# KiCad board SparkFun_Qwiic_WAV_Trigger_Pro_panelized.kicad_pcb (continued)
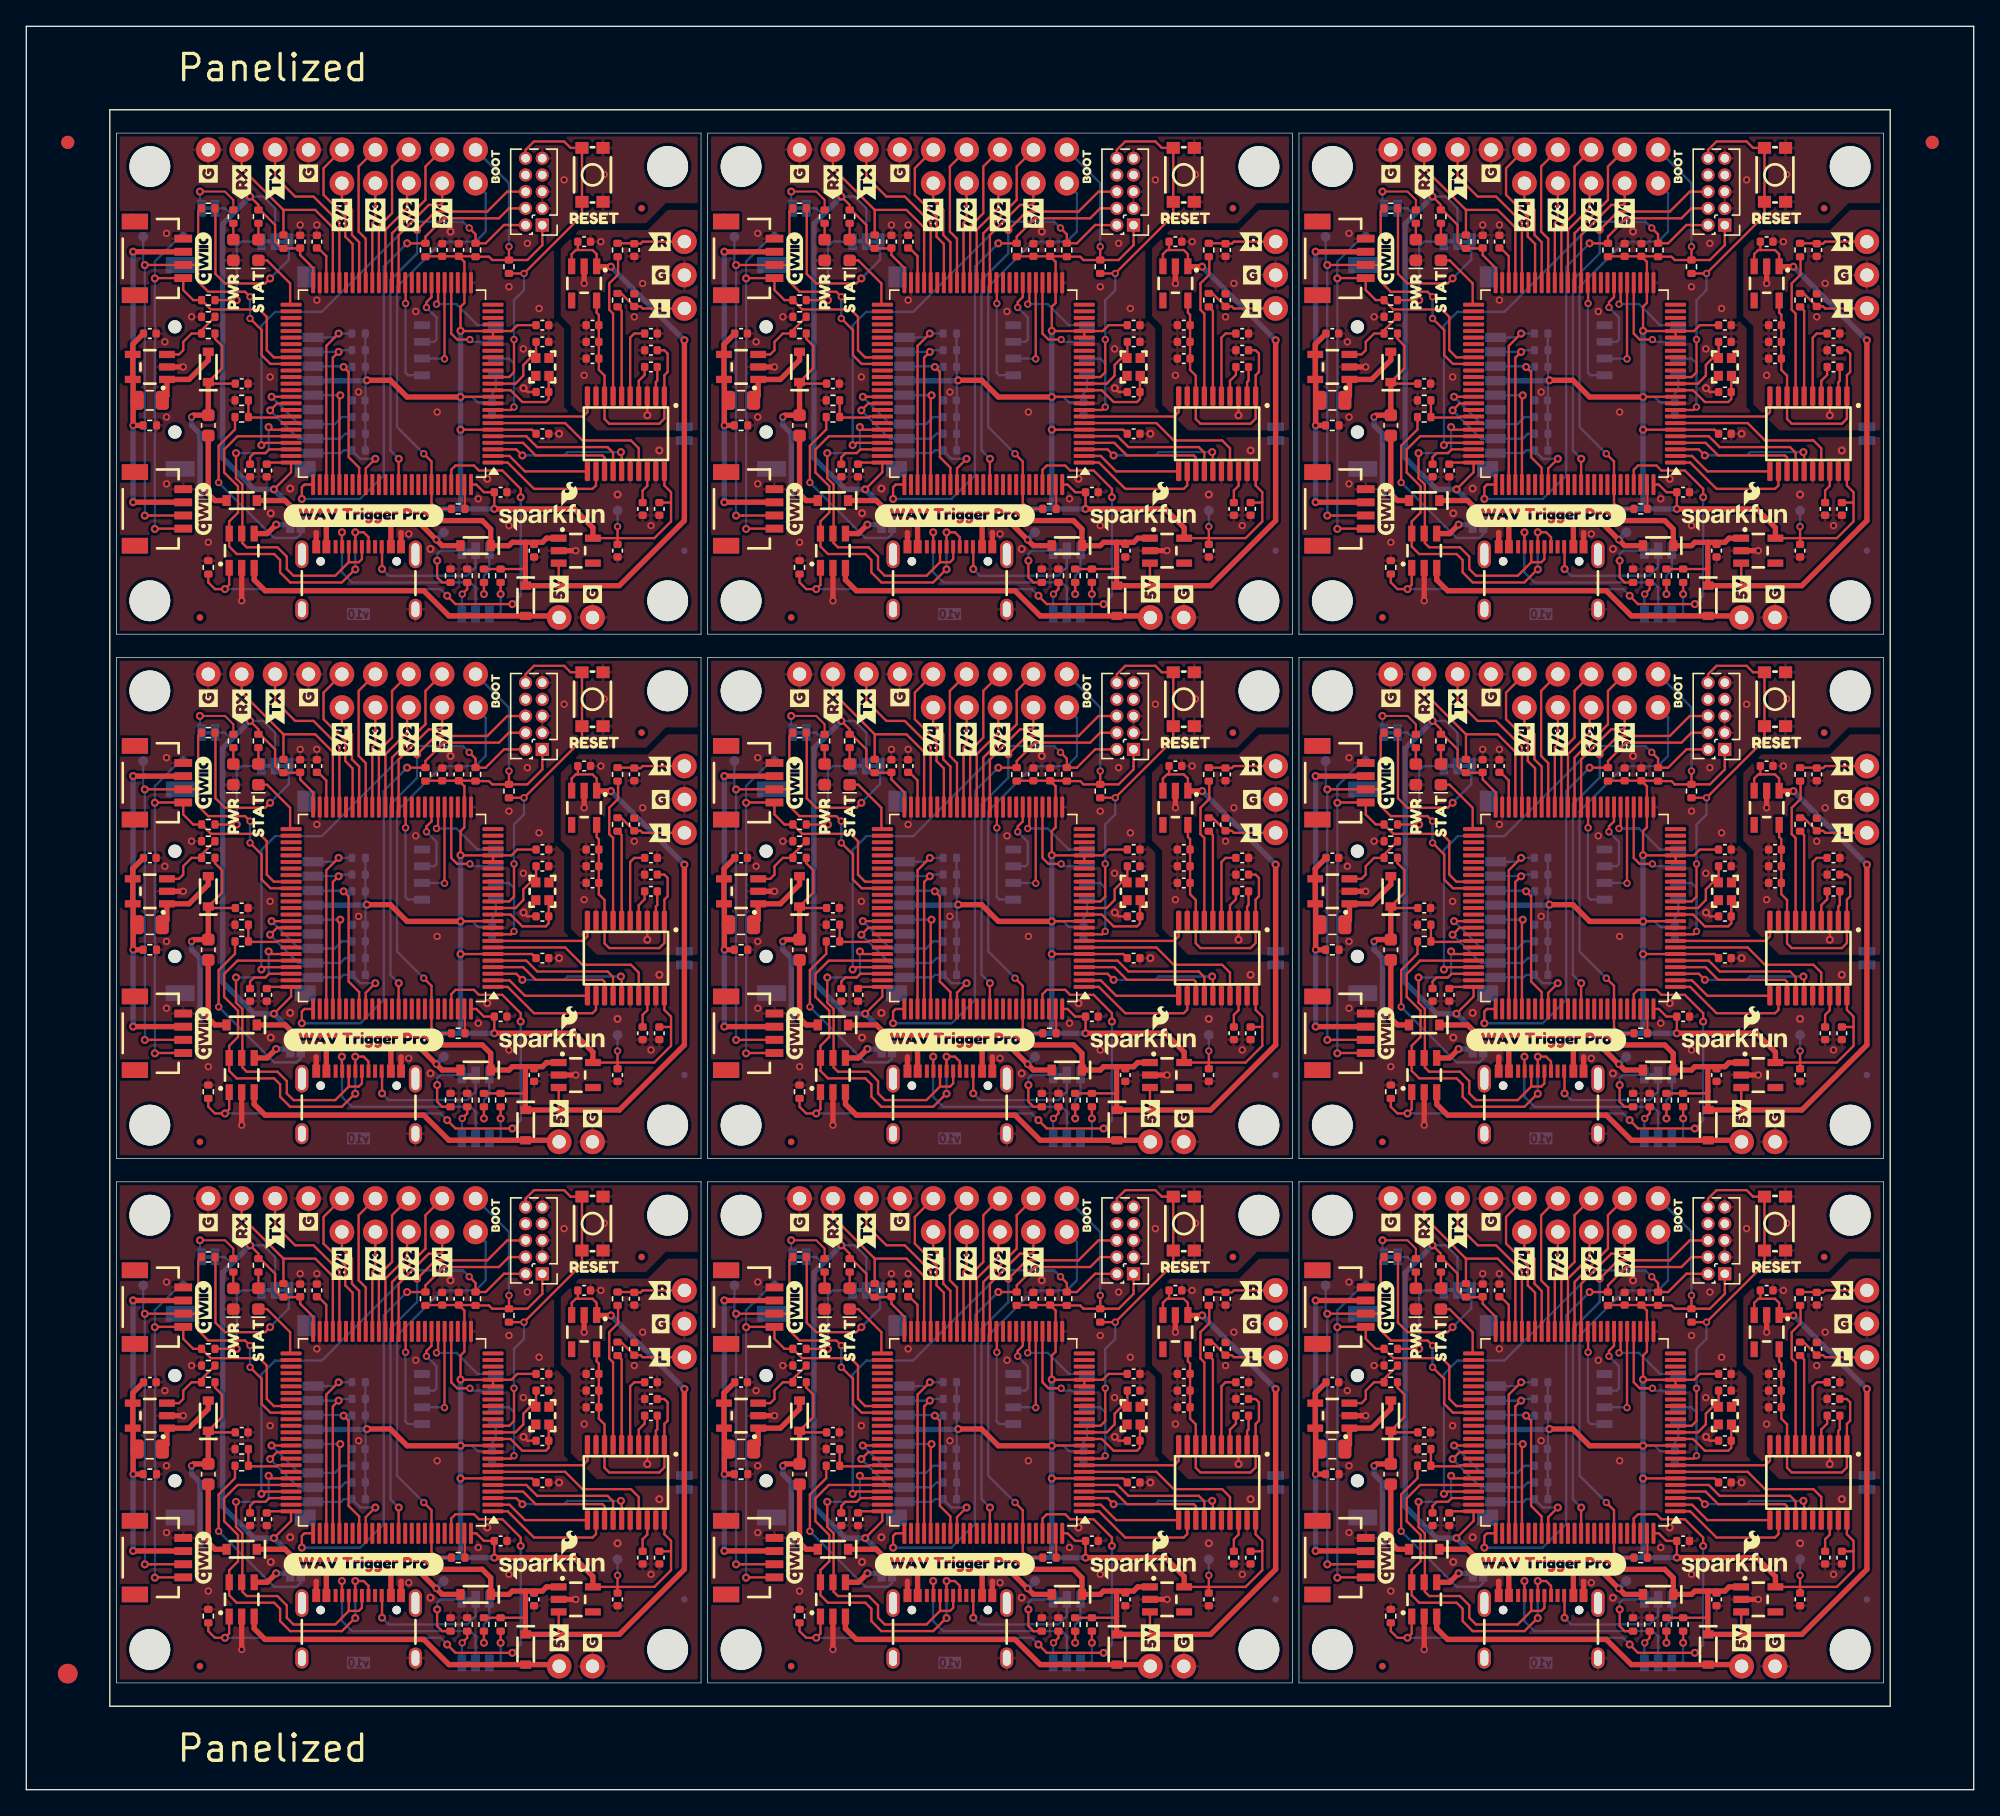
[diagram p0: board, top side]
## Placement (name value [footprint] x y rotation side) (continued)
FID1#9  Fiducial_0.5mm  [Fiducial_0.5mm_Mask1mm]  46.78 40.5 0 top
FID2  Fiducial_0.5mm  [Fiducial_0.5mm_Mask1mm]  103.1 89.13 0 top
FID2#2  Fiducial_0.5mm  [Fiducial_0.5mm_Mask1mm]  13.2 49.26 0 top
FID2#3  Fiducial_0.5mm  [Fiducial_0.5mm_Mask1mm]  58.15 89.13 0 top
FID2#4  Fiducial_0.5mm  [Fiducial_0.5mm_Mask1mm]  13.2 89.13 0 top
FID2#5  Fiducial_0.5mm  [Fiducial_0.5mm_Mask1mm]  58.15 9.39 0 top
FID2#6  Fiducial_0.5mm  [Fiducial_0.5mm_Mask1mm]  58.15 49.26 0 top
FID2#7  Fiducial_0.5mm  [Fiducial_0.5mm_Mask1mm]  103.1 9.39 0 top
FID2#8  Fiducial_0.5mm  [Fiducial_0.5mm_Mask1mm]  103.1 49.26 0 top
FID2#9  Fiducial_0.5mm  [Fiducial_0.5mm_Mask1mm]  13.2 9.39 0 top
FID3  Fiducial_0.5mm  [Fiducial_0.5mm_Mask1mm]  50.03 94.21 180 bottom
FID3#2  Fiducial_0.5mm  [Fiducial_0.5mm_Mask1mm]  94.98 54.34 180 bottom
FID3#3  Fiducial_0.5mm  [Fiducial_0.5mm_Mask1mm]  94.98 14.47 180 bottom
FID3#4  Fiducial_0.5mm  [Fiducial_0.5mm_Mask1mm]  94.98 94.21 180 bottom
FID3#5  Fiducial_0.5mm  [Fiducial_0.5mm_Mask1mm]  139.93 54.34 180 bottom
FID3#6  Fiducial_0.5mm  [Fiducial_0.5mm_Mask1mm]  139.93 94.21 180 bottom
FID3#7  Fiducial_0.5mm  [Fiducial_0.5mm_Mask1mm]  139.93 14.47 180 bottom
FID3#8  Fiducial_0.5mm  [Fiducial_0.5mm_Mask1mm]  50.03 54.34 180 bottom
FID3#9  Fiducial_0.5mm  [Fiducial_0.5mm_Mask1mm]  50.03 14.47 180 bottom
FID4  Fiducial_0.5mm  [Fiducial_0.5mm_Mask1mm]  98.02 119.61 180 bottom
FID4#2  Fiducial_0.5mm  [Fiducial_0.5mm_Mask1mm]  8.12 119.61 180 bottom
FID4#3  Fiducial_0.5mm  [Fiducial_0.5mm_Mask1mm]  53.07 79.74 180 bottom
FID4#4  Fiducial_0.5mm  [Fiducial_0.5mm_Mask1mm]  53.07 119.61 180 bottom
FID4#5  Fiducial_0.5mm  [Fiducial_0.5mm_Mask1mm]  8.12 79.74 180 bottom
FID4#6  Fiducial_0.5mm  [Fiducial_0.5mm_Mask1mm]  53.07 39.87 180 bottom
FID4#7  Fiducial_0.5mm  [Fiducial_0.5mm_Mask1mm]  98.02 39.87 180 bottom
FID4#8  Fiducial_0.5mm  [Fiducial_0.5mm_Mask1mm]  98.02 79.74 180 bottom
FID4#9  Fiducial_0.5mm  [Fiducial_0.5mm_Mask1mm]  8.12 39.87 180 bottom
G4  OSHW_Logo  [Creative_Commons_License]  99.56 -41.41 0 top
G***  LOGO  [SparkFun_Logo_8mm]  129.82 96.85 0 top
G***#2  LOGO  [SparkFun_Logo_8mm]  84.87 56.98 0 top
G***#3  LOGO  [SparkFun_Logo_8mm]  129.82 17.11 0 top
G***#4  LOGO  [SparkFun_Logo_8mm]  84.87 17.11 0 top
G***#5  LOGO  [SparkFun_Logo_8mm]  84.87 96.85 0 top
G***#6  LOGO  [SparkFun_Logo_8mm]  129.82 56.98 0 top
G***#7  LOGO  [SparkFun_Logo_8mm]  39.92 56.98 0 top
G***#8  LOGO  [SparkFun_Logo_8mm]  39.92 96.85 0 top
G***#9  LOGO  [SparkFun_Logo_8mm]  39.92 17.11 0 top
G***#10  LOGO  [qwiic_4mm]  13.45 57.52 90 top
G***#11  LOGO  [qwiic_4mm]  103.35 57.52 90 top
G***#12  LOGO  [qwiic_4mm]  13.45 97.38 90 top
G***#13  LOGO  [qwiic_4mm]  58.4 17.64 90 top
G***#14  LOGO  [qwiic_4mm]  58.4 57.52 90 top
G***#15  LOGO  [qwiic_4mm]  58.4 97.38 90 top
G***#16  LOGO  [qwiic_4mm]  103.35 17.64 90 top
G***#17  LOGO  [qwiic_4mm]  103.35 97.38 90 top
G***#18  LOGO  [qwiic_4mm]  13.45 17.64 90 top
G***#19  LOGO  [qwiic_4mm]  13.45 76.56 90 top
G***#20  LOGO  [qwiic_4mm]  13.45 116.44 90 top
G***#21  LOGO  [qwiic_4mm]  58.4 36.69 90 top
G***#22  LOGO  [qwiic_4mm]  58.4 116.44 90 top
G***#23  LOGO  [qwiic_4mm]  103.35 36.69 90 top
G***#24  LOGO  [qwiic_4mm]  103.35 76.56 90 top
G***#25  LOGO  [qwiic_4mm]  103.35 116.44 90 top
G***#26  LOGO  [qwiic_4mm]  58.4 76.56 90 top
G***#27  LOGO  [qwiic_4mm]  13.45 36.69 90 top
G***#28  LOGO  [SparkFun_Logo_10mm]  45.33 27.3 90 bottom
G***#29  LOGO  [SparkFun_Logo_10mm]  45.33 107.04 90 bottom
G***#30  LOGO  [SparkFun_Logo_10mm]  90.28 27.3 90 bottom
G***#31  LOGO  [SparkFun_Logo_10mm]  90.28 67.17 90 bottom
G***#32  LOGO  [SparkFun_Logo_10mm]  90.28 107.04 90 bottom
G***#33  LOGO  [SparkFun_Logo_10mm]  135.23 27.3 90 bottom
G***#34  LOGO  [SparkFun_Logo_10mm]  135.23 67.17 90 bottom
G***#35  LOGO  [SparkFun_Logo_10mm]  135.23 107.04 90 bottom
G***#36  LOGO  [SparkFun_Logo_10mm]  45.33 67.17 90 bottom
G***#37  -  [LOGO]  129.89 67.27 90 bottom
G***#38  -  [LOGO]  84.94 67.27 90 bottom
G***#39  -  [LOGO]  84.94 107.14 90 bottom
G***#40  -  [LOGO]  129.89 107.14 90 bottom
G***#41  -  [LOGO]  129.89 27.4 90 bottom
G***#42  -  [LOGO]  39.99 107.14 90 bottom
G***#43  -  [LOGO]  39.99 67.27 90 bottom
G***#44  -  [LOGO]  84.94 27.4 90 bottom
G***#45  -  [LOGO]  39.99 27.4 90 bottom
J1  Conn_01x02  [1x02]  85.45 9.39 0 top
J1#2  Conn_01x02  [1x02]  40.51 49.26 0 top
J1#3  Conn_01x02  [1x02]  40.51 89.13 0 top
J1#4  Conn_01x02  [1x02]  130.41 9.39 0 top
J1#5  Conn_01x02  [1x02]  130.41 89.13 0 top
J1#6  Conn_01x02  [1x02]  85.45 49.26 0 top
J1#7  Conn_01x02  [1x02]  130.41 49.26 0 top
J1#8  Conn_01x02  [1x02]  85.45 89.13 0 top
J1#9  Conn_01x02  [1x02]  40.51 9.39 0 top
J2  USB_C_Receptacle  [USB-C_16]  25.27 54.97 0 top
J2#2  USB_C_Receptacle  [USB-C_16]  25.27 94.84 0 top
J2#3  USB_C_Receptacle  [USB-C_16]  115.17 94.84 0 top
J2#4  USB_C_Receptacle  [USB-C_16]  115.17 15.1 0 top
J2#5  USB_C_Receptacle  [USB-C_16]  70.21 15.1 0 top
J2#6  USB_C_Receptacle  [USB-C_16]  70.21 94.84 0 top
J2#7  USB_C_Receptacle  [USB-C_16]  115.17 54.97 0 top
J2#8  USB_C_Receptacle  [USB-C_16]  70.21 54.97 0 top
J2#9  USB_C_Receptacle  [USB-C_16]  25.27 15.1 0 top
J3  Qwiic_RA  [JST_SMD_1.0mm-4_RA]  56.88 76.56 270 top
J3#2  Qwiic_RA  [JST_SMD_1.0mm-4_RA]  101.83 76.56 270 top
J3#3  Qwiic_RA  [JST_SMD_1.0mm-4_RA]  11.93 76.56 270 top
J3#4  Qwiic_RA  [JST_SMD_1.0mm-4_RA]  11.93 116.44 270 top
J3#5  Qwiic_RA  [JST_SMD_1.0mm-4_RA]  56.88 36.69 270 top
J3#6  Qwiic_RA  [JST_SMD_1.0mm-4_RA]  56.88 116.44 270 top
J3#7  Qwiic_RA  [JST_SMD_1.0mm-4_RA]  101.83 36.69 270 top
J3#8  Qwiic_RA  [JST_SMD_1.0mm-4_RA]  101.83 116.44 270 top
J3#9  Qwiic_RA  [JST_SMD_1.0mm-4_RA]  11.93 36.69 270 top
J4  Qwiic_RA  [JST_SMD_1.0mm-4_RA]  56.88 97.38 270 top
J4#2  Qwiic_RA  [JST_SMD_1.0mm-4_RA]  11.93 57.52 270 top
J4#3  Qwiic_RA  [JST_SMD_1.0mm-4_RA]  101.83 97.38 270 top
J4#4  Qwiic_RA  [JST_SMD_1.0mm-4_RA]  101.83 57.52 270 top
J4#5  Qwiic_RA  [JST_SMD_1.0mm-4_RA]  11.93 97.38 270 top
J4#6  Qwiic_RA  [JST_SMD_1.0mm-4_RA]  56.88 17.64 270 top
J4#7  Qwiic_RA  [JST_SMD_1.0mm-4_RA]  56.88 57.52 270 top
J4#8  Qwiic_RA  [JST_SMD_1.0mm-4_RA]  101.83 17.64 270 top
J4#9  Qwiic_RA  [JST_SMD_1.0mm-4_RA]  11.93 17.64 270 top
J5  microSD  [microSD_External_Pin]  11.3 68.31 90 bottom
J5#2  microSD  [microSD_External_Pin]  11.3 108.18 90 bottom
J5#3  microSD  [microSD_External_Pin]  56.24 28.44 90 bottom
J5#4  microSD  [microSD_External_Pin]  101.2 108.18 90 bottom
J5#5  microSD  [microSD_External_Pin]  101.2 28.44 90 bottom
J5#6  microSD  [microSD_External_Pin]  56.24 108.18 90 bottom
J5#7  microSD  [microSD_External_Pin]  101.2 68.31 90 bottom
J5#8  microSD  [microSD_External_Pin]  56.24 68.31 90 bottom
J5#9  microSD  [microSD_External_Pin]  11.3 28.44 90 bottom
J6  Conn_01x08  [1x08]  31.61 84.82 180 top
J6#2  Conn_01x08  [1x08]  31.61 124.69 180 top
J6#3  Conn_01x08  [1x08]  76.57 44.95 180 top
J6#4  Conn_01x08  [1x08]  76.57 84.82 180 top
J6#5  Conn_01x08  [1x08]  76.57 124.69 180 top
J6#6  Conn_01x08  [1x08]  121.52 84.82 180 top
J6#7  Conn_01x08  [1x08]  121.52 124.69 180 top
J6#8  Conn_01x08  [1x08]  121.52 44.95 180 top
J6#9  Conn_01x08  [1x08]  31.61 44.95 180 top
J7  JTAG  [2x05_P1.27mm]  39.23 79.09 180 top
J7#2  JTAG  [2x05_P1.27mm]  129.12 39.22 180 top
J7#3  JTAG  [2x05_P1.27mm]  84.17 39.22 180 top
J7#4  JTAG  [2x05_P1.27mm]  129.12 79.09 180 top
J7#5  JTAG  [2x05_P1.27mm]  39.23 118.96 180 top
J7#6  JTAG  [2x05_P1.27mm]  84.17 118.96 180 top
J7#7  JTAG  [2x05_P1.27mm]  84.17 79.09 180 top
J7#8  JTAG  [2x05_P1.27mm]  129.12 118.96 180 top
J7#9  JTAG  [2x05_P1.27mm]  39.23 39.22 180 top
J8  Conn_01x03  [1x03]  50.03 112.62 90 top
J8#2  Conn_01x03  [1x03]  94.98 72.75 90 top
J8#3  Conn_01x03  [1x03]  94.98 32.88 90 top
J8#4  Conn_01x03  [1x03]  50.03 72.75 90 top
J8#5  Conn_01x03  [1x03]  139.93 72.75 90 top
J8#6  Conn_01x03  [1x03]  139.93 112.62 90 top
J8#7  Conn_01x03  [1x03]  139.93 32.88 90 top
J8#8  Conn_01x03  [1x03]  94.98 112.62 90 top
J8#9  Conn_01x03  [1x03]  50.03 32.88 90 top
J9  Conn_01x04  [1x04]  121.52 122.15 180 top
J9#2  Conn_01x04  [1x04]  31.61 82.28 180 top
J9#3  Conn_01x04  [1x04]  76.57 122.15 180 top
J9#4  Conn_01x04  [1x04]  121.52 42.41 180 top
J9#5  Conn_01x04  [1x04]  76.57 82.28 180 top
J9#6  Conn_01x04  [1x04]  31.61 122.15 180 top
J9#7  Conn_01x04  [1x04]  76.57 42.41 180 top
J9#8  Conn_01x04  [1x04]  121.52 82.28 180 top
J9#9  Conn_01x04  [1x04]  31.61 42.41 180 top
J10  Conn_01x02  [1x02]  79.11 42.41 90 top
J10#2  Conn_01x02  [1x02]  34.16 82.28 90 top
J10#3  Conn_01x02  [1x02]  34.16 122.15 90 top
J10#4  Conn_01x02  [1x02]  79.11 82.28 90 top
J10#5  Conn_01x02  [1x02]  79.11 122.15 90 top
J10#6  Conn_01x02  [1x02]  124.05 42.41 90 top
J10#7  Conn_01x02  [1x02]  124.05 82.28 90 top
J10#8  Conn_01x02  [1x02]  124.05 122.15 90 top
J10#9  Conn_01x02  [1x02]  34.16 42.41 90 top
JP1  DEV/HST2  [Jumper_3_NC-1_Trace]  79.11 94.21 0 bottom
JP1#2  DEV/HST2  [Jumper_3_NC-1_Trace]  124.05 94.21 0 bottom
JP1#3  DEV/HST2  [Jumper_3_NC-1_Trace]  34.16 94.21 0 bottom
JP1#4  DEV/HST2  [Jumper_3_NC-1_Trace]  34.16 54.34 0 bottom
JP1#5  DEV/HST2  [Jumper_3_NC-1_Trace]  79.11 14.47 0 bottom
JP1#6  DEV/HST2  [Jumper_3_NC-1_Trace]  79.11 54.34 0 bottom
JP1#7  DEV/HST2  [Jumper_3_NC-1_Trace]  124.05 14.47 0 bottom
JP1#8  DEV/HST2  [Jumper_3_NC-1_Trace]  124.05 54.34 0 bottom
JP1#9  DEV/HST2  [Jumper_3_NC-1_Trace]  34.16 14.47 0 bottom
JP2  DEV/HST1  [Jumper_3_NC-1_Trace]  124.05 49.51 0 bottom
JP2#2  DEV/HST1  [Jumper_3_NC-1_Trace]  79.11 9.64 0 bottom
JP2#3  DEV/HST1  [Jumper_3_NC-1_Trace]  34.16 89.38 0 bottom
JP2#4  DEV/HST1  [Jumper_3_NC-1_Trace]  124.05 9.64 0 bottom
JP2#5  DEV/HST1  [Jumper_3_NC-1_Trace]  34.16 49.51 0 bottom
JP2#6  DEV/HST1  [Jumper_3_NC-1_Trace]  79.11 89.38 0 bottom
JP2#7  DEV/HST1  [Jumper_3_NC-1_Trace]  79.11 49.51 0 bottom
JP2#8  DEV/HST1  [Jumper_3_NC-1_Trace]  124.05 89.38 0 bottom
JP2#9  DEV/HST1  [Jumper_3_NC-1_Trace]  34.16 9.64 0 bottom
JP3  VBUS  [Jumper_2_NO]  110.36 96.19 0 bottom
JP3#2  VBUS  [Jumper_2_NO]  20.46 56.32 0 bottom
JP3#3  VBUS  [Jumper_2_NO]  65.41 16.45 0 bottom
JP3#4  VBUS  [Jumper_2_NO]  65.41 96.19 0 bottom
JP3#5  VBUS  [Jumper_2_NO]  20.46 96.19 0 bottom
JP3#6  VBUS  [Jumper_2_NO]  65.41 56.32 0 bottom
JP3#7  VBUS  [Jumper_2_NO]  110.36 16.45 0 bottom
JP3#8  VBUS  [Jumper_2_NO]  110.36 56.32 0 bottom
JP3#9  VBUS  [Jumper_2_NO]  20.46 16.45 0 bottom
JP4  LED  [Jumper_2_NC_Trace]  103.73 40.5 0 bottom
JP4#2  LED  [Jumper_2_NC_Trace]  13.83 80.38 0 bottom
JP4#3  LED  [Jumper_2_NC_Trace]  103.73 120.24 0 bottom
JP4#4  LED  [Jumper_2_NC_Trace]  58.79 40.5 0 bottom
JP4#5  LED  [Jumper_2_NC_Trace]  13.83 120.24 0 bottom
JP4#6  LED  [Jumper_2_NC_Trace]  58.79 80.38 0 bottom
JP4#7  LED  [Jumper_2_NC_Trace]  58.79 120.24 0 bottom
JP4#8  LED  [Jumper_2_NC_Trace]  103.73 80.38 0 bottom
JP4#9  LED  [Jumper_2_NC_Trace]  13.83 40.5 0 bottom
JP5  I2C  [Jumper_3_NC-2_Trace]  63.86 117.7 180 bottom
JP5#2  I2C  [Jumper_3_NC-2_Trace]  18.92 77.83 180 bottom
JP5#3  I2C  [Jumper_3_NC-2_Trace]  108.82 77.83 180 bottom
JP5#4  I2C  [Jumper_3_NC-2_Trace]  63.86 77.83 180 bottom
JP5#5  I2C  [Jumper_3_NC-2_Trace]  18.92 117.7 180 bottom
JP5#6  I2C  [Jumper_3_NC-2_Trace]  108.82 37.96 180 bottom
JP5#7  I2C  [Jumper_3_NC-2_Trace]  63.86 37.96 180 bottom
JP5#8  I2C  [Jumper_3_NC-2_Trace]  108.82 117.7 180 bottom
JP5#9  I2C  [Jumper_3_NC-2_Trace]  18.92 37.96 180 bottom
JP6  ANLG  [Jumper_2_NC_Trace]  50.03 103.1 270 bottom
JP6#2  ANLG  [Jumper_2_NC_Trace]  50.03 63.23 270 bottom
JP6#3  ANLG  [Jumper_2_NC_Trace]  94.98 63.23 270 bottom
JP6#4  ANLG  [Jumper_2_NC_Trace]  94.98 103.1 270 bottom
JP6#5  ANLG  [Jumper_2_NC_Trace]  139.93 23.36 270 bottom
JP6#6  ANLG  [Jumper_2_NC_Trace]  94.98 23.36 270 bottom
JP6#7  ANLG  [Jumper_2_NC_Trace]  139.93 63.23 270 bottom
JP6#8  ANLG  [Jumper_2_NC_Trace]  139.93 103.1 270 bottom
JP6#9  ANLG  [Jumper_2_NC_Trace]  50.03 23.36 270 bottom
kibuzzard-66C23BEA  G***  [kibuzzard-66C23BEA]  121.52 119.86 90 top
kibuzzard-66C23BEA#2  G***  [kibuzzard-66C23BEA]  121.52 79.99 90 top
kibuzzard-66C23BEA#3  G***  [kibuzzard-66C23BEA]  76.57 40.12 90 top
kibuzzard-66C23BEA#4  G***  [kibuzzard-66C23BEA]  121.52 40.12 90 top
kibuzzard-66C23BEA#5  G***  [kibuzzard-66C23BEA]  31.61 79.99 90 top
kibuzzard-66C23BEA#6  G***  [kibuzzard-66C23BEA]  76.57 79.99 90 top
kibuzzard-66C23BEA#7  G***  [kibuzzard-66C23BEA]  31.61 119.86 90 top
kibuzzard-66C23BEA#8  G***  [kibuzzard-66C23BEA]  76.57 119.86 90 top
kibuzzard-66C23BEA#9  G***  [kibuzzard-66C23BEA]  31.61 40.12 90 top
kibuzzard-66C23BF9  G***  [kibuzzard-66C23BF9]  29.08 79.87 90 top
kibuzzard-66C23BF9#2  G***  [kibuzzard-66C23BF9]  118.98 40 90 top
kibuzzard-66C23BF9#3  G***  [kibuzzard-66C23BF9]  74.02 79.87 90 top
kibuzzard-66C23BF9#4  G***  [kibuzzard-66C23BF9]  118.98 119.74 90 top
kibuzzard-66C23BF9#5  G***  [kibuzzard-66C23BF9]  74.02 119.74 90 top
kibuzzard-66C23BF9#6  G***  [kibuzzard-66C23BF9]  29.08 119.74 90 top
kibuzzard-66C23BF9#7  G***  [kibuzzard-66C23BF9]  74.02 40 90 top
kibuzzard-66C23BF9#8  G***  [kibuzzard-66C23BF9]  118.98 79.87 90 top
kibuzzard-66C23BF9#9  G***  [kibuzzard-66C23BF9]  29.08 40 90 top
kibuzzard-66C23C0E  G***  [kibuzzard-66C23C0E]  23.99 79.87 90 top
kibuzzard-66C23C0E#2  G***  [kibuzzard-66C23C0E]  23.99 119.74 90 top
kibuzzard-66C23C0E#3  G***  [kibuzzard-66C23C0E]  68.95 119.74 90 top
kibuzzard-66C23C0E#4  G***  [kibuzzard-66C23C0E]  113.89 119.74 90 top
kibuzzard-66C23C0E#5  G***  [kibuzzard-66C23C0E]  113.89 40 90 top
kibuzzard-66C23C0E#6  G***  [kibuzzard-66C23C0E]  113.89 79.87 90 top
kibuzzard-66C23C0E#7  G***  [kibuzzard-66C23C0E]  68.95 79.87 90 top
kibuzzard-66C23C0E#8  G***  [kibuzzard-66C23C0E]  68.95 40 90 top
kibuzzard-66C23C0E#9  G***  [kibuzzard-66C23C0E]  23.99 40 90 top
kibuzzard-66C23C05  G***  [kibuzzard-66C23C05]  116.43 79.87 90 top
kibuzzard-66C23C05#2  G***  [kibuzzard-66C23C05]  71.48 79.87 90 top
kibuzzard-66C23C05#3  G***  [kibuzzard-66C23C05]  26.54 79.87 90 top
kibuzzard-66C23C05#4  G***  [kibuzzard-66C23C05]  26.54 119.74 90 top
kibuzzard-66C23C05#5  G***  [kibuzzard-66C23C05]  71.48 40 90 top
kibuzzard-66C23C05#6  G***  [kibuzzard-66C23C05]  116.43 40 90 top
kibuzzard-66C23C05#7  G***  [kibuzzard-66C23C05]  71.48 119.74 90 top
kibuzzard-66C23C05#8  G***  [kibuzzard-66C23C05]  116.43 119.74 90 top
kibuzzard-66C23C05#9  G***  [kibuzzard-66C23C05]  26.54 40 90 top
kibuzzard-66C23C37  G***  [kibuzzard-66C23C37]  79.11 51.93 180 bottom
kibuzzard-66C23C37#2  G***  [kibuzzard-66C23C37]  34.16 91.8 180 bottom
kibuzzard-66C23C37#3  G***  [kibuzzard-66C23C37]  79.11 91.8 180 bottom
kibuzzard-66C23C37#4  G***  [kibuzzard-66C23C37]  124.05 91.8 180 bottom
kibuzzard-66C23C37#5  G***  [kibuzzard-66C23C37]  34.16 51.93 180 bottom
kibuzzard-66C23C37#6  G***  [kibuzzard-66C23C37]  124.05 51.93 180 bottom
kibuzzard-66C23C37#7  G***  [kibuzzard-66C23C37]  79.11 12.06 180 bottom
kibuzzard-66C23C37#8  G***  [kibuzzard-66C23C37]  124.05 12.06 180 bottom
kibuzzard-66C23C37#9  G***  [kibuzzard-66C23C37]  34.16 12.06 180 bottom
kibuzzard-66C79D8D  G***  [kibuzzard-66C79D8D]  50.03 59.93 90 bottom
kibuzzard-66C79D8D#2  G***  [kibuzzard-66C79D8D]  50.03 99.8 90 bottom
kibuzzard-66C79D8D#3  G***  [kibuzzard-66C79D8D]  94.98 20.06 90 bottom
kibuzzard-66C79D8D#4  G***  [kibuzzard-66C79D8D]  139.93 99.8 90 bottom
kibuzzard-66C79D8D#5  G***  [kibuzzard-66C79D8D]  94.98 59.93 90 bottom
kibuzzard-66C79D8D#6  G***  [kibuzzard-66C79D8D]  94.98 99.8 90 bottom
kibuzzard-66C79D8D#7  G***  [kibuzzard-66C79D8D]  139.93 20.06 90 bottom
kibuzzard-66C79D8D#8  G***  [kibuzzard-66C79D8D]  139.93 59.93 90 bottom
kibuzzard-66C79D8D#9  G***  [kibuzzard-66C79D8D]  50.03 20.06 90 bottom
kibuzzard-66C268B3  G***  [kibuzzard-66C268B3]  80.63 123.42 90 top
kibuzzard-66C268B3#2  G***  [kibuzzard-66C268B3]  35.68 83.55 90 top
kibuzzard-66C268B3#3  G***  [kibuzzard-66C268B3]  80.63 83.55 90 top
kibuzzard-66C268B3#4  G***  [kibuzzard-66C268B3]  125.58 83.55 90 top
kibuzzard-66C268B3#5  G***  [kibuzzard-66C268B3]  80.63 43.68 90 top
kibuzzard-66C268B3#6  G***  [kibuzzard-66C268B3]  125.58 123.42 90 top
kibuzzard-66C268B3#7  G***  [kibuzzard-66C268B3]  125.58 43.68 90 top
kibuzzard-66C268B3#8  G***  [kibuzzard-66C268B3]  35.68 123.42 90 top
kibuzzard-66C268B3#9  G***  [kibuzzard-66C268B3]  35.68 43.68 90 top
kibuzzard-66C268B3#10  G***  [kibuzzard-66C268B3]  125.58 123.42 90 bottom
kibuzzard-66C268B3#11  G***  [kibuzzard-66C268B3]  80.63 43.68 90 bottom
kibuzzard-66C268B3#12  G***  [kibuzzard-66C268B3]  80.63 83.55 90 bottom
kibuzzard-66C268B3#13  G***  [kibuzzard-66C268B3]  80.63 123.42 90 bottom
kibuzzard-66C268B3#14  G***  [kibuzzard-66C268B3]  35.68 83.55 90 bottom
kibuzzard-66C268B3#15  G***  [kibuzzard-66C268B3]  35.68 123.42 90 bottom
kibuzzard-66C268B3#16  G***  [kibuzzard-66C268B3]  125.58 83.55 90 bottom
kibuzzard-66C268B3#17  G***  [kibuzzard-66C268B3]  125.58 43.68 90 bottom
kibuzzard-66C268B3#18  G***  [kibuzzard-66C268B3]  35.68 43.68 90 bottom
kibuzzard-66C6226E  G***  [kibuzzard-66C6226E]  68.95 119.74 90 bottom
kibuzzard-66C6226E#2  G***  [kibuzzard-66C6226E]  113.89 79.87 90 bottom
kibuzzard-66C6226E#3  G***  [kibuzzard-66C6226E]  23.99 119.74 90 bottom
kibuzzard-66C6226E#4  G***  [kibuzzard-66C6226E]  23.99 79.87 90 bottom
kibuzzard-66C6226E#5  G***  [kibuzzard-66C6226E]  68.95 40 90 bottom
kibuzzard-66C6226E#6  G***  [kibuzzard-66C6226E]  68.95 79.87 90 bottom
kibuzzard-66C6226E#7  G***  [kibuzzard-66C6226E]  113.89 40 90 bottom
kibuzzard-66C6226E#8  G***  [kibuzzard-66C6226E]  113.89 119.74 90 bottom
kibuzzard-66C6226E#9  G***  [kibuzzard-66C6226E]  23.99 40 90 bottom
kibuzzard-66C62249  G***  [kibuzzard-66C62249]  31.61 79.99 90 bottom
kibuzzard-66C62249#2  G***  [kibuzzard-66C62249]  121.52 119.86 90 bottom
kibuzzard-66C62249#3  G***  [kibuzzard-66C62249]  31.61 119.86 90 bottom
kibuzzard-66C62249#4  G***  [kibuzzard-66C62249]  76.57 79.99 90 bottom
kibuzzard-66C62249#5  G***  [kibuzzard-66C62249]  76.57 119.86 90 bottom
kibuzzard-66C62249#6  G***  [kibuzzard-66C62249]  121.52 40.12 90 bottom
kibuzzard-66C62249#7  G***  [kibuzzard-66C62249]  121.52 79.99 90 bottom
kibuzzard-66C62249#8  G***  [kibuzzard-66C62249]  76.57 40.12 90 bottom
kibuzzard-66C62249#9  G***  [kibuzzard-66C62249]  31.61 40.12 90 bottom
kibuzzard-66C62258  G***  [kibuzzard-66C62258]  74.02 79.87 90 bottom
kibuzzard-66C62258#2  G***  [kibuzzard-66C62258]  118.98 79.87 90 bottom
kibuzzard-66C62258#3  G***  [kibuzzard-66C62258]  29.08 79.87 90 bottom
kibuzzard-66C62258#4  G***  [kibuzzard-66C62258]  29.08 119.74 90 bottom
kibuzzard-66C62258#5  G***  [kibuzzard-66C62258]  74.02 40 90 bottom
kibuzzard-66C62258#6  G***  [kibuzzard-66C62258]  74.02 119.74 90 bottom
kibuzzard-66C62258#7  G***  [kibuzzard-66C62258]  118.98 40 90 bottom
kibuzzard-66C62258#8  G***  [kibuzzard-66C62258]  118.98 119.74 90 bottom
kibuzzard-66C62258#9  G***  [kibuzzard-66C62258]  29.08 40 90 bottom
kibuzzard-66C62266  G***  [kibuzzard-66C62266]  26.54 79.87 90 bottom
kibuzzard-66C62266#2  G***  [kibuzzard-66C62266]  26.54 119.74 90 bottom
kibuzzard-66C62266#3  G***  [kibuzzard-66C62266]  71.48 40 90 bottom
kibuzzard-66C62266#4  G***  [kibuzzard-66C62266]  71.48 119.74 90 bottom
kibuzzard-66C62266#5  G***  [kibuzzard-66C62266]  116.43 40 90 bottom
kibuzzard-66C62266#6  G***  [kibuzzard-66C62266]  116.43 79.87 90 bottom
kibuzzard-66C62266#7  G***  [kibuzzard-66C62266]  71.48 79.87 90 bottom
kibuzzard-66C62266#8  G***  [kibuzzard-66C62266]  116.43 119.74 90 bottom
kibuzzard-66C62266#9  G***  [kibuzzard-66C62266]  26.54 40 90 bottom
kibuzzard-662D2C4E  G***  [kibuzzard-662D2C4E]  16.38 122.23 90 top
kibuzzard-662D2C4E#2  G***  [kibuzzard-662D2C4E]  106.27 42.49 90 top
kibuzzard-662D2C4E#3  G***  [kibuzzard-662D2C4E]  106.27 122.23 90 top
kibuzzard-662D2C4E#4  G***  [kibuzzard-662D2C4E]  16.38 82.36 90 top
kibuzzard-662D2C4E#5  G***  [kibuzzard-662D2C4E]  61.33 42.49 90 top
kibuzzard-662D2C4E#6  G***  [kibuzzard-662D2C4E]  61.33 82.36 90 top
kibuzzard-662D2C4E#7  G***  [kibuzzard-662D2C4E]  61.33 122.23 90 top
kibuzzard-662D2C4E#8  G***  [kibuzzard-662D2C4E]  106.27 82.36 90 top
kibuzzard-662D2C4E#9  G***  [kibuzzard-662D2C4E]  16.38 42.49 90 top
kibuzzard-662D2C77  G***  [kibuzzard-662D2C77]  63.86 42.46 90 top
kibuzzard-662D2C77#2  G***  [kibuzzard-662D2C77]  18.92 82.33 90 top
kibuzzard-662D2C77#3  G***  [kibuzzard-662D2C77]  108.82 122.2 90 top
kibuzzard-662D2C77#4  G***  [kibuzzard-662D2C77]  63.86 122.2 90 top
kibuzzard-662D2C77#5  G***  [kibuzzard-662D2C77]  18.92 122.2 90 top
kibuzzard-662D2C77#6  G***  [kibuzzard-662D2C77]  63.86 82.33 90 top
kibuzzard-662D2C77#7  G***  [kibuzzard-662D2C77]  108.82 82.33 90 top
kibuzzard-662D2C77#8  G***  [kibuzzard-662D2C77]  108.82 42.46 90 top
kibuzzard-662D2C77#9  G***  [kibuzzard-662D2C77]  18.92 42.46 90 top
kibuzzard-662D2E87  G***  [kibuzzard-662D2E87]  43.05 51.04 90 top
kibuzzard-662D2E87#2  G***  [kibuzzard-662D2E87]  87.99 11.17 90 top
kibuzzard-662D2E87#3  G***  [kibuzzard-662D2E87]  43.05 90.91 90 top
kibuzzard-662D2E87#4  G***  [kibuzzard-662D2E87]  87.99 51.04 90 top
kibuzzard-662D2E87#5  G***  [kibuzzard-662D2E87]  87.99 90.91 90 top
kibuzzard-662D2E87#6  G***  [kibuzzard-662D2E87]  132.94 51.04 90 top
kibuzzard-662D2E87#7  G***  [kibuzzard-662D2E87]  132.94 11.17 90 top
kibuzzard-662D2E87#8  G***  [kibuzzard-662D2E87]  132.94 90.91 90 top
kibuzzard-662D2E87#9  G***  [kibuzzard-662D2E87]  43.05 11.17 90 top
kibuzzard-662D2E87#10  G***  [kibuzzard-662D2E87]  21.45 83.04 90 top
kibuzzard-662D2E87#11  G***  [kibuzzard-662D2E87]  21.45 122.91 90 top
kibuzzard-662D2E87#12  G***  [kibuzzard-662D2E87]  66.41 43.17 90 top
kibuzzard-662D2E87#13  G***  [kibuzzard-662D2E87]  66.41 122.91 90 top
kibuzzard-662D2E87#14  G***  [kibuzzard-662D2E87]  111.36 43.17 90 top
kibuzzard-662D2E87#15  G***  [kibuzzard-662D2E87]  66.41 83.04 90 top
kibuzzard-662D2E87#16  G***  [kibuzzard-662D2E87]  111.36 122.91 90 top
kibuzzard-662D2E87#17  G***  [kibuzzard-662D2E87]  111.36 83.04 90 top
kibuzzard-662D2E87#18  G***  [kibuzzard-662D2E87]  21.45 43.17 90 top
kibuzzard-662D2E87#19  G***  [kibuzzard-662D2E87]  48.23 75.29 0 top
kibuzzard-662D2E87#20  G***  [kibuzzard-662D2E87]  93.18 115.16 0 top
kibuzzard-662D2E87#21  G***  [kibuzzard-662D2E87]  138.13 115.16 0 top
kibuzzard-662D2E87#22  G***  [kibuzzard-662D2E87]  48.23 115.16 0 top
kibuzzard-662D2E87#23  G***  [kibuzzard-662D2E87]  93.18 35.42 0 top
kibuzzard-662D2E87#24  G***  [kibuzzard-662D2E87]  138.13 35.42 0 top
kibuzzard-662D2E87#25  G***  [kibuzzard-662D2E87]  138.13 75.29 0 top
kibuzzard-662D2E87#26  G***  [kibuzzard-662D2E87]  93.18 75.29 0 top
kibuzzard-662D2E87#27  G***  [kibuzzard-662D2E87]  48.23 35.42 0 top
kibuzzard-662D2E87#28  G***  [kibuzzard-662D2E87]  58.79 122.86 90 top
kibuzzard-662D2E87#29  G***  [kibuzzard-662D2E87]  13.83 82.99 90 top
kibuzzard-662D2E87#30  G***  [kibuzzard-662D2E87]  13.83 122.86 90 top
kibuzzard-662D2E87#31  G***  [kibuzzard-662D2E87]  58.79 43.12 90 top
kibuzzard-662D2E87#32  G***  [kibuzzard-662D2E87]  58.79 82.99 90 top
kibuzzard-662D2E87#33  G***  [kibuzzard-662D2E87]  103.73 122.86 90 top
kibuzzard-662D2E87#34  G***  [kibuzzard-662D2E87]  103.73 82.99 90 top
kibuzzard-662D2E87#35  G***  [kibuzzard-662D2E87]  103.73 43.12 90 top
kibuzzard-662D2E87#36  G***  [kibuzzard-662D2E87]  13.83 43.12 90 top
kibuzzard-662D2EEF  G***  [kibuzzard-662D2EEF]  138.02 112.62 0 top
kibuzzard-662D2EEF#2  G***  [kibuzzard-662D2EEF]  93.08 32.88 0 top
kibuzzard-662D2EEF#3  G***  [kibuzzard-662D2EEF]  93.08 72.75 0 top
kibuzzard-662D2EEF#4  G***  [kibuzzard-662D2EEF]  138.02 32.88 0 top
kibuzzard-662D2EEF#5  G***  [kibuzzard-662D2EEF]  93.08 112.62 0 top
kibuzzard-662D2EEF#6  G***  [kibuzzard-662D2EEF]  48.13 72.75 0 top
kibuzzard-662D2EEF#7  G***  [kibuzzard-662D2EEF]  138.02 72.75 0 top
kibuzzard-662D2EEF#8  G***  [kibuzzard-662D2EEF]  48.13 112.62 0 top
kibuzzard-662D2EEF#9  G***  [kibuzzard-662D2EEF]  48.13 32.88 0 top
kibuzzard-662D2F10  G***  [kibuzzard-662D2F10]  48.13 117.7 0 top
kibuzzard-662D2F10#2  G***  [kibuzzard-662D2F10]  138.02 77.83 0 top
kibuzzard-662D2F10#3  G***  [kibuzzard-662D2F10]  93.08 37.96 0 top
kibuzzard-662D2F10#4  G***  [kibuzzard-662D2F10]  138.02 117.7 0 top
kibuzzard-662D2F10#5  G***  [kibuzzard-662D2F10]  138.02 37.96 0 top
kibuzzard-662D2F10#6  G***  [kibuzzard-662D2F10]  93.08 117.7 0 top
kibuzzard-662D2F10#7  G***  [kibuzzard-662D2F10]  48.13 77.83 0 top
kibuzzard-662D2F10#8  G***  [kibuzzard-662D2F10]  93.08 77.83 0 top
kibuzzard-662D2F10#9  G***  [kibuzzard-662D2F10]  48.13 37.96 0 top
kibuzzard-662D2F57  G***  [kibuzzard-662D2F57]  85.45 11.55 90 top
kibuzzard-662D2F57#2  G***  [kibuzzard-662D2F57]  85.45 91.29 90 top
kibuzzard-662D2F57#3  G***  [kibuzzard-662D2F57]  85.45 51.42 90 top
kibuzzard-662D2F57#4  G***  [kibuzzard-662D2F57]  40.51 51.42 90 top
kibuzzard-662D2F57#5  G***  [kibuzzard-662D2F57]  130.41 91.29 90 top
kibuzzard-662D2F57#6  G***  [kibuzzard-662D2F57]  130.41 11.55 90 top
kibuzzard-662D2F57#7  G***  [kibuzzard-662D2F57]  130.41 51.42 90 top
kibuzzard-662D2F57#8  G***  [kibuzzard-662D2F57]  40.51 91.29 90 top
kibuzzard-662D2F57#9  G***  [kibuzzard-662D2F57]  40.51 11.55 90 top
kibuzzard-662D31BA  G***  [kibuzzard-662D31BA]  88.12 39.74 0 top
kibuzzard-662D31BA#2  G***  [kibuzzard-662D31BA]  133.07 79.61 0 top
kibuzzard-662D31BA#3  G***  [kibuzzard-662D31BA]  43.17 79.61 0 top
kibuzzard-662D31BA#4  G***  [kibuzzard-662D31BA]  133.07 39.74 0 top
kibuzzard-662D31BA#5  G***  [kibuzzard-662D31BA]  88.12 79.61 0 top
kibuzzard-662D31BA#6  G***  [kibuzzard-662D31BA]  43.17 119.48 0 top
kibuzzard-662D31BA#7  G***  [kibuzzard-662D31BA]  88.12 119.48 0 top
kibuzzard-662D31BA#8  G***  [kibuzzard-662D31BA]  133.07 119.48 0 top
kibuzzard-662D31BA#9  G***  [kibuzzard-662D31BA]  43.17 39.74 0 top
kibuzzard-662D463B  G***  [kibuzzard-662D463B]  115.55 57.01 0 top
kibuzzard-662D463B#2  G***  [kibuzzard-662D463B]  25.65 96.88 0 top
kibuzzard-662D463B#3  G***  [kibuzzard-662D463B]  25.65 57.01 0 top
kibuzzard-662D463B#4  G***  [kibuzzard-662D463B]  70.6 57.01 0 top
kibuzzard-662D463B#5  G***  [kibuzzard-662D463B]  70.6 96.88 0 top
kibuzzard-662D463B#6  G***  [kibuzzard-662D463B]  115.55 96.88 0 top
kibuzzard-662D463B#7  G***  [kibuzzard-662D463B]  115.55 17.14 0 top
kibuzzard-662D463B#8  G***  [kibuzzard-662D463B]  70.6 17.14 0 top
kibuzzard-662D463B#9  G***  [kibuzzard-662D463B]  25.65 17.14 0 top
kibuzzard-662D463B#10  G***  [kibuzzard-662D463B]  117.7 27.42 90 bottom
kibuzzard-662D463B#11  G***  [kibuzzard-662D463B]  27.8 67.29 90 bottom
kibuzzard-662D463B#12  G***  [kibuzzard-662D463B]  72.76 107.16 90 bottom
kibuzzard-662D463B#13  G***  [kibuzzard-662D463B]  72.76 67.29 90 bottom
kibuzzard-662D463B#14  G***  [kibuzzard-662D463B]  117.7 67.29 90 bottom
kibuzzard-662D463B#15  G***  [kibuzzard-662D463B]  117.7 107.16 90 bottom
kibuzzard-662D463B#16  G***  [kibuzzard-662D463B]  27.8 107.16 90 bottom
kibuzzard-662D463B#17  G***  [kibuzzard-662D463B]  72.76 27.42 90 bottom
kibuzzard-662D463B#18  G***  [kibuzzard-662D463B]  27.8 27.42 90 bottom
kibuzzard-664CBEBA  G***  [kibuzzard-664CBEBA]  10.91 120.24 180 bottom
kibuzzard-664CBEBA#2  G***  [kibuzzard-664CBEBA]  10.91 80.38 180 bottom
kibuzzard-664CBEBA#3  G***  [kibuzzard-664CBEBA]  100.81 80.38 180 bottom
kibuzzard-664CBEBA#4  G***  [kibuzzard-664CBEBA]  55.86 40.5 180 bottom
kibuzzard-664CBEBA#5  G***  [kibuzzard-664CBEBA]  55.86 120.24 180 bottom
kibuzzard-664CBEBA#6  G***  [kibuzzard-664CBEBA]  100.81 40.5 180 bottom
kibuzzard-664CBEBA#7  G***  [kibuzzard-664CBEBA]  55.86 80.38 180 bottom
kibuzzard-664CBEBA#8  G***  [kibuzzard-664CBEBA]  100.81 120.24 180 bottom
kibuzzard-664CBEBA#9  G***  [kibuzzard-664CBEBA]  10.91 40.5 180 bottom
kibuzzard-664CBEE2  G***  [kibuzzard-664CBEE2]  15.74 117.7 180 bottom
kibuzzard-664CBEE2#2  G***  [kibuzzard-664CBEE2]  105.64 117.7 180 bottom
kibuzzard-664CBEE2#3  G***  [kibuzzard-664CBEE2]  60.69 117.7 180 bottom
kibuzzard-664CBEE2#4  G***  [kibuzzard-664CBEE2]  105.64 77.83 180 bottom
kibuzzard-664CBEE2#5  G***  [kibuzzard-664CBEE2]  15.74 77.83 180 bottom
kibuzzard-664CBEE2#6  G***  [kibuzzard-664CBEE2]  60.69 37.96 180 bottom
kibuzzard-664CBEE2#7  G***  [kibuzzard-664CBEE2]  60.69 77.83 180 bottom
kibuzzard-664CBEE2#8  G***  [kibuzzard-664CBEE2]  105.64 37.96 180 bottom
kibuzzard-664CBEE2#9  G***  [kibuzzard-664CBEE2]  15.74 37.96 180 bottom
kibuzzard-664CC11D  G***  [kibuzzard-664CC11D]  107.04 16.38 180 bottom
kibuzzard-664CC11D#2  G***  [kibuzzard-664CC11D]  62.09 16.38 180 bottom
kibuzzard-664CC11D#3  G***  [kibuzzard-664CC11D]  17.14 96.11 180 bottom
kibuzzard-664CC11D#4  G***  [kibuzzard-664CC11D]  62.09 56.24 180 bottom
kibuzzard-664CC11D#5  G***  [kibuzzard-664CC11D]  62.09 96.11 180 bottom
kibuzzard-664CC11D#6  G***  [kibuzzard-664CC11D]  17.14 56.24 180 bottom
kibuzzard-664CC11D#7  G***  [kibuzzard-664CC11D]  107.04 96.11 180 bottom
kibuzzard-664CC11D#8  G***  [kibuzzard-664CC11D]  107.04 56.24 180 bottom
kibuzzard-664CC11D#9  G***  [kibuzzard-664CC11D]  17.14 16.38 180 bottom
kibuzzard-66465AC2  G***  [kibuzzard-66465AC2]  60.69 74.02 90 top
kibuzzard-66465AC2#2  G***  [kibuzzard-66465AC2]  15.74 74.02 90 top
kibuzzard-66465AC2#3  G***  [kibuzzard-66465AC2]  15.74 113.89 90 top
kibuzzard-66465AC2#4  G***  [kibuzzard-66465AC2]  60.69 113.89 90 top
kibuzzard-66465AC2#5  G***  [kibuzzard-66465AC2]  105.64 34.16 90 top
kibuzzard-66465AC2#6  G***  [kibuzzard-66465AC2]  60.69 34.16 90 top
kibuzzard-66465AC2#7  G***  [kibuzzard-66465AC2]  105.64 74.02 90 top
kibuzzard-66465AC2#8  G***  [kibuzzard-66465AC2]  105.64 113.89 90 top
kibuzzard-66465AC2#9  G***  [kibuzzard-66465AC2]  15.74 34.16 90 top
kibuzzard-66465AE2  G***  [kibuzzard-66465AE2]  17.64 113.89 90 top
kibuzzard-66465AE2#2  G***  [kibuzzard-66465AE2]  62.6 74.02 90 top
kibuzzard-66465AE2#3  G***  [kibuzzard-66465AE2]  17.64 74.02 90 top
kibuzzard-66465AE2#4  G***  [kibuzzard-66465AE2]  62.6 113.89 90 top
kibuzzard-66465AE2#5  G***  [kibuzzard-66465AE2]  62.6 34.16 90 top
kibuzzard-66465AE2#6  G***  [kibuzzard-66465AE2]  107.55 34.16 90 top
kibuzzard-66465AE2#7  G***  [kibuzzard-66465AE2]  107.55 74.02 90 top
kibuzzard-66465AE2#8  G***  [kibuzzard-66465AE2]  107.55 113.89 90 top
kibuzzard-66465AE2#9  G***  [kibuzzard-66465AE2]  17.64 34.16 90 top
kibuzzard-66465C99  G***  [kibuzzard-66465C99]  48 117.7 180 bottom
kibuzzard-66465C99#2  G***  [kibuzzard-66465C99]  92.95 37.96 180 bottom
kibuzzard-66465C99#3  G***  [kibuzzard-66465C99]  92.95 77.83 180 bottom
kibuzzard-66465C99#4  G***  [kibuzzard-66465C99]  137.9 77.83 180 bottom
kibuzzard-66465C99#5  G***  [kibuzzard-66465C99]  137.9 117.7 180 bottom
kibuzzard-66465C99#6  G***  [kibuzzard-66465C99]  48 77.83 180 bottom
kibuzzard-66465C99#7  G***  [kibuzzard-66465C99]  92.95 117.7 180 bottom
kibuzzard-66465C99#8  G***  [kibuzzard-66465C99]  137.9 37.96 180 bottom
kibuzzard-66465C99#9  G***  [kibuzzard-66465C99]  48 37.96 180 bottom
kibuzzard-66465CB9  G***  [kibuzzard-66465CB9]  93.08 72.75 180 bottom
kibuzzard-66465CB9#2  G***  [kibuzzard-66465CB9]  138.02 72.75 180 bottom
kibuzzard-66465CB9#3  G***  [kibuzzard-66465CB9]  93.08 112.62 180 bottom
kibuzzard-66465CB9#4  G***  [kibuzzard-66465CB9]  138.02 112.62 180 bottom
kibuzzard-66465CB9#5  G***  [kibuzzard-66465CB9]  48.13 72.75 180 bottom
kibuzzard-66465CB9#6  G***  [kibuzzard-66465CB9]  48.13 112.62 180 bottom
kibuzzard-66465CB9#7  G***  [kibuzzard-66465CB9]  93.08 32.88 180 bottom
kibuzzard-66465CB9#8  G***  [kibuzzard-66465CB9]  138.02 32.88 180 bottom
kibuzzard-66465CB9#9  G***  [kibuzzard-66465CB9]  48.13 32.88 180 bottom
kibuzzard-66465CD3  G***  [kibuzzard-66465CD3]  48.22 75.3 180 bottom
kibuzzard-66465CD3#2  G***  [kibuzzard-66465CD3]  93.17 35.43 180 bottom
kibuzzard-66465CD3#3  G***  [kibuzzard-66465CD3]  93.17 115.17 180 bottom
kibuzzard-66465CD3#4  G***  [kibuzzard-66465CD3]  93.17 75.3 180 bottom
kibuzzard-66465CD3#5  G***  [kibuzzard-66465CD3]  138.12 35.43 180 bottom
